# Altium PCB PROC114E3_BRD.PcbDoc (part 17 of 18)
Units mm, origin at the board's own origin, x right, y up, seen from the top; angles counter-clockwise.
Board outline 85 x 155.18 mm, 10 copper layers (TOP, L02_GND1, L03_SIG1, L04_GND2, L05_PWR1, L06_PWR2, L07_GND3, L08_SIG2, L09_GND4, BOTTOM), stack 1.134 mm thick; 1389 components, 1010 nets, 5137 pads, 3263 vias.
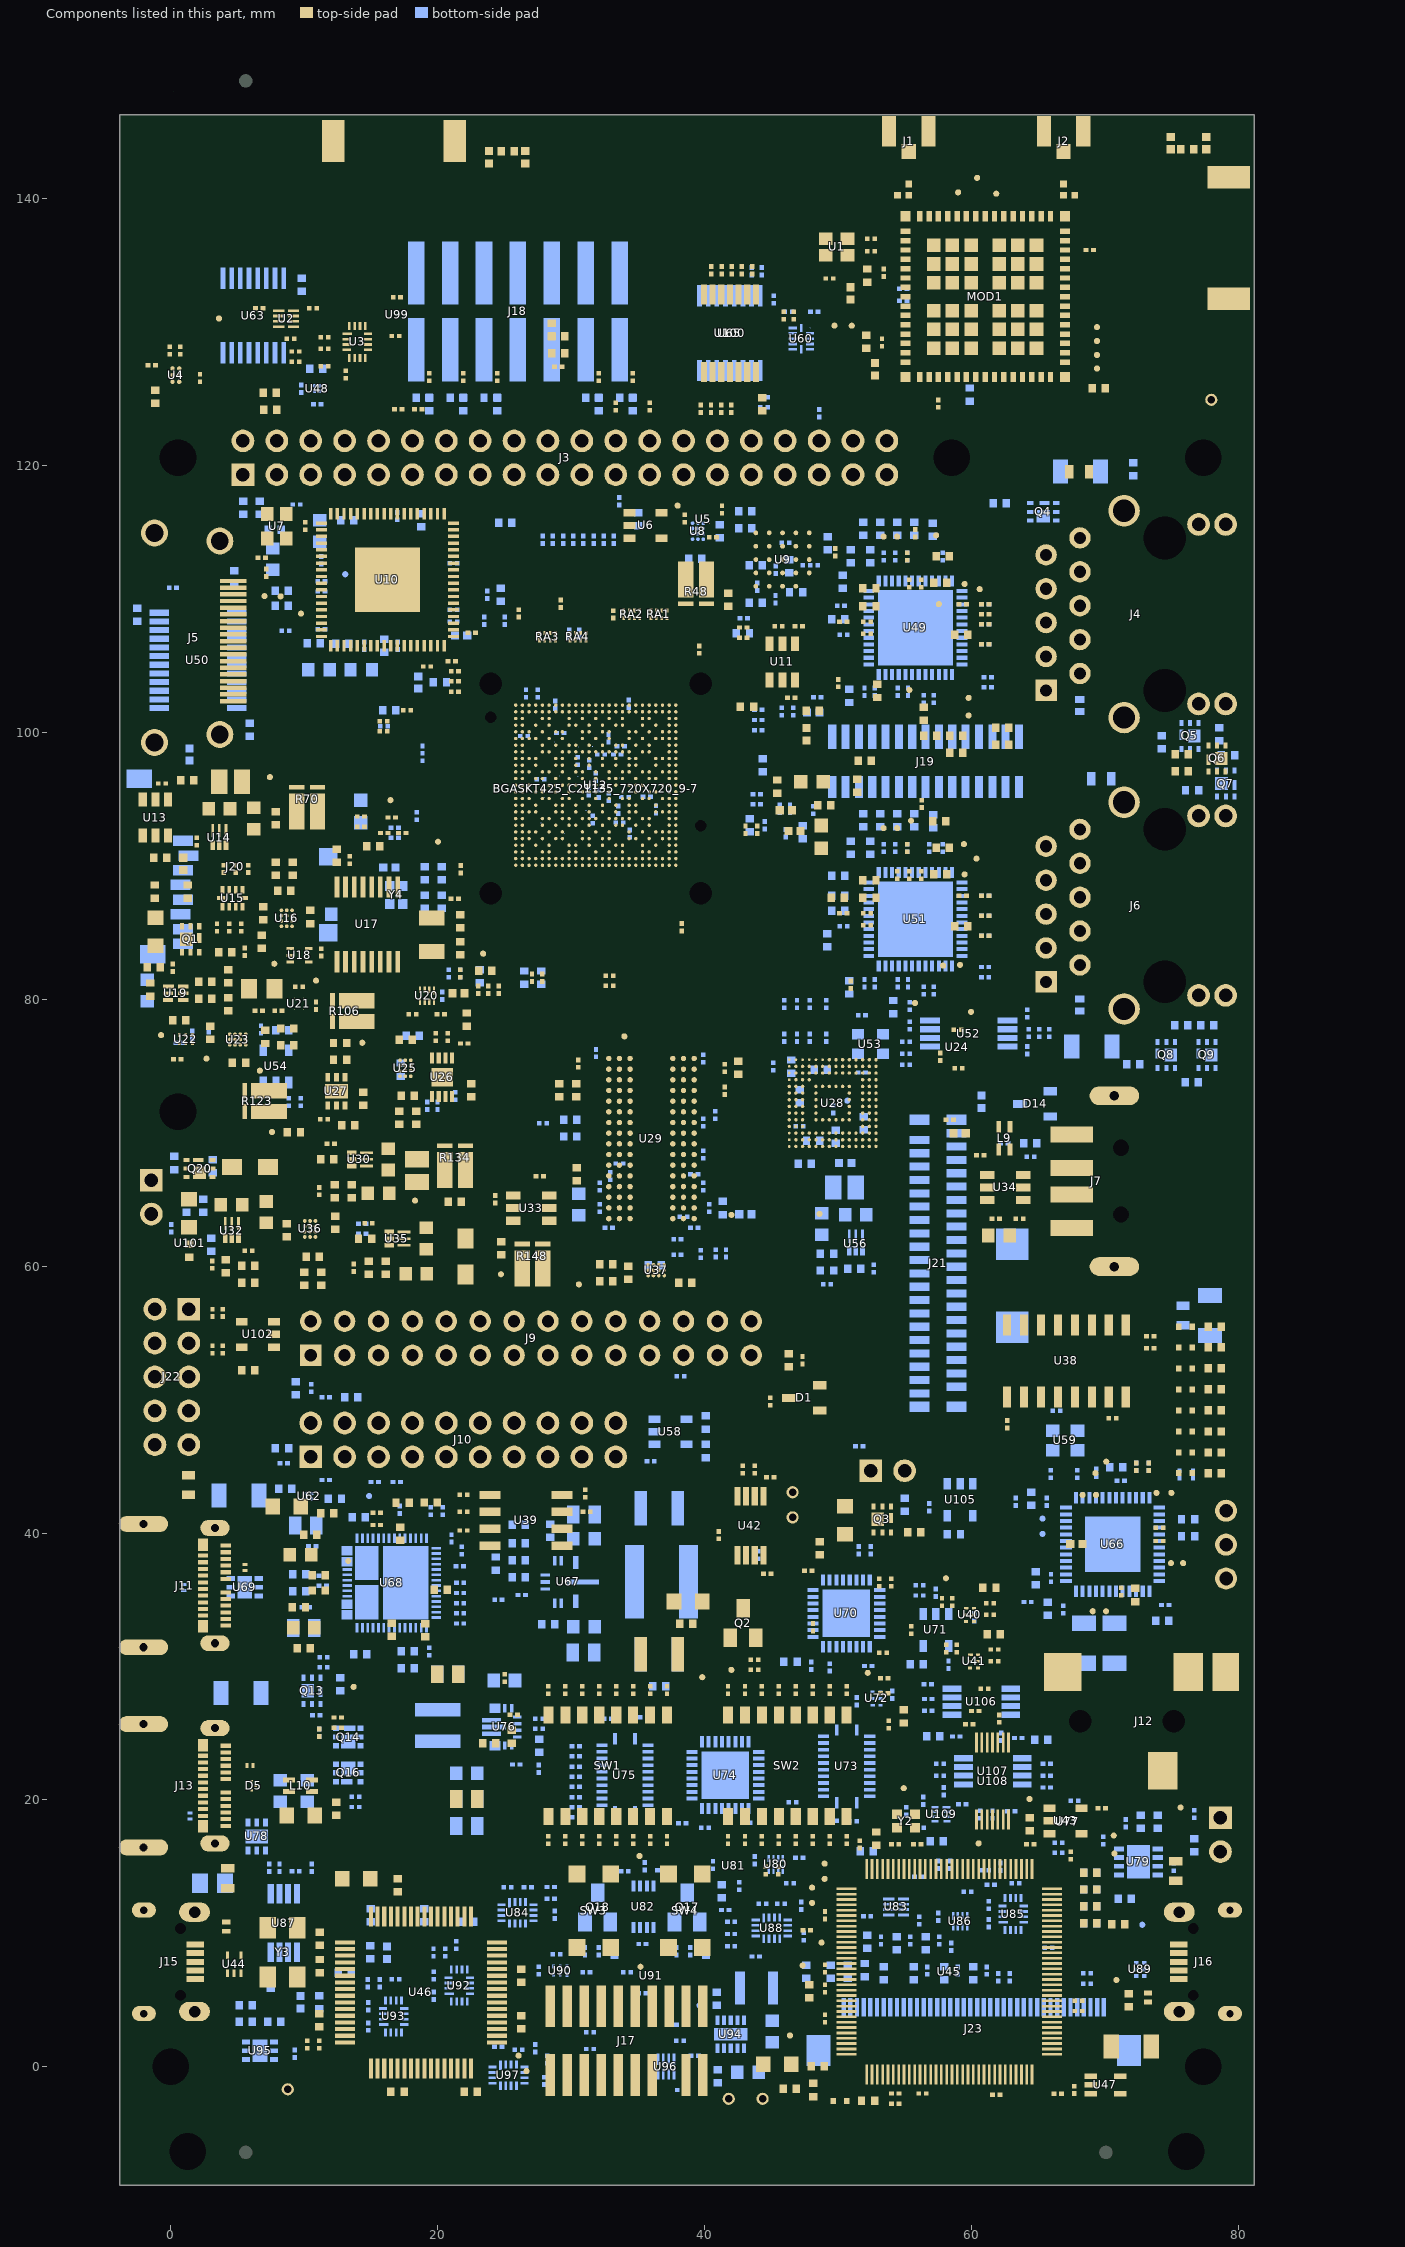
[diagram p25: the components of this part, seen from the top]

## Keep-outs (continued)
L06_PWR2:
  region: 54.849,101.434 54.82,101.582 54.736,101.708 54.61,101.793 54.461,101.822 54.312,101.793 54.27,101.764 54.186,101.708 54.102,101.582 54.072,101.434 54.102,101.285 54.186,101.159 54.27,101.103 54.312,101.075 54.461,101.045 54.61,101.075 54.736,101.159 54.82,101.285 54.849,101.434
  region: 42.36,97.047 42.331,97.196 42.246,97.322 42.12,97.406 41.972,97.436 41.823,97.406 41.781,97.378 41.697,97.322 41.613,97.196 41.583,97.047 41.613,96.898 41.697,96.772 41.781,96.716 41.823,96.688 41.972,96.659 42.12,96.688 42.246,96.772 42.331,96.898 42.36,97.047
  region: 54.087,101.434 54.058,101.582 53.974,101.708 53.848,101.793 53.699,101.822 53.55,101.793 53.508,101.764 53.424,101.708 53.34,101.582 53.31,101.434 53.34,101.285 53.424,101.159 53.508,101.103 53.55,101.075 53.699,101.045 53.848,101.075 53.974,101.159 54.058,101.285 54.087,101.434
  region: 40.733,97.09 40.704,97.239 40.62,97.365 40.494,97.449 40.345,97.479 40.196,97.449 40.154,97.421 40.07,97.365 39.986,97.239 39.956,97.09 39.986,96.942 40.07,96.816 40.154,96.76 40.196,96.732 40.345,96.702 40.494,96.732 40.62,96.816 40.704,96.942 40.733,97.09
  region: 51.087,101.434 51.058,101.582 50.974,101.708 50.848,101.793 50.699,101.822 50.55,101.793 50.508,101.764 50.424,101.708 50.34,101.582 50.31,101.434 50.34,101.285 50.424,101.159 50.508,101.103 50.55,101.075 50.699,101.045 50.848,101.075 50.974,101.159 51.058,101.285 51.087,101.434
  region: 57.849,97.917 57.82,98.065 57.735,98.191 57.609,98.276 57.461,98.305 57.312,98.276 57.27,98.247 57.186,98.191 57.102,98.065 57.072,97.917 57.102,97.768 57.186,97.642 57.27,97.586 57.312,97.558 57.461,97.528 57.609,97.558 57.735,97.642 57.82,97.768 57.849,97.917
  region: 51.849,101.434 51.82,101.582 51.736,101.708 51.61,101.793 51.461,101.822 51.312,101.793 51.27,101.764 51.186,101.708 51.102,101.582 51.072,101.434 51.102,101.285 51.186,101.159 51.27,101.103 51.312,101.075 51.461,101.045 51.61,101.075 51.736,101.159 51.82,101.285 51.849,101.434
  region: 36.778,96.088 36.749,96.237 36.665,96.363 36.538,96.447 36.39,96.477 36.241,96.447 36.199,96.419 36.115,96.363 36.031,96.237 36.001,96.088 36.031,95.94 36.115,95.814 36.199,95.758 36.241,95.729 36.39,95.7 36.538,95.729 36.665,95.814 36.749,95.94 36.778,96.088
  region: 57.087,97.917 57.058,98.065 56.973,98.191 56.847,98.276 56.699,98.305 56.55,98.276 56.508,98.247 56.424,98.191 56.34,98.065 56.31,97.917 56.34,97.768 56.424,97.642 56.508,97.586 56.55,97.558 56.699,97.528 56.847,97.558 56.973,97.642 57.058,97.768 57.087,97.917
  region: 43.122,97.047 43.093,97.196 43.008,97.322 42.882,97.406 42.734,97.436 42.585,97.406 42.543,97.378 42.459,97.322 42.375,97.196 42.345,97.047 42.375,96.898 42.459,96.772 42.543,96.716 42.585,96.688 42.734,96.659 42.882,96.688 43.008,96.772 43.093,96.898 43.122,97.047
  region: 39.971,97.09 39.942,97.239 39.858,97.365 39.732,97.449 39.583,97.479 39.434,97.449 39.392,97.421 39.308,97.365 39.224,97.239 39.194,97.09 39.224,96.942 39.308,96.816 39.392,96.76 39.434,96.732 39.583,96.702 39.732,96.732 39.858,96.816 39.942,96.942 39.971,97.09
  region: 37.265,97.502 37.235,97.651 37.151,97.777 37.025,97.861 36.876,97.89 36.728,97.861 36.686,97.833 36.602,97.777 36.518,97.651 36.488,97.502 36.518,97.353 36.602,97.227 36.686,97.171 36.728,97.143 36.876,97.113 37.025,97.143 37.151,97.227 37.235,97.353 37.265,97.502
L07_GND3:
  region: 43.122,97.047 43.093,97.196 43.008,97.322 42.882,97.406 42.734,97.436 42.585,97.406 42.543,97.378 42.459,97.322 42.375,97.196 42.345,97.047 42.375,96.898 42.459,96.772 42.543,96.716 42.585,96.688 42.734,96.659 42.882,96.688 43.008,96.772 43.093,96.898 43.122,97.047
  region: 51.849,101.434 51.82,101.582 51.736,101.708 51.61,101.793 51.461,101.822 51.312,101.793 51.27,101.764 51.186,101.708 51.102,101.582 51.072,101.434 51.102,101.285 51.186,101.159 51.27,101.103 51.312,101.075 51.461,101.045 51.61,101.075 51.736,101.159 51.82,101.285 51.849,101.434
  region: 39.971,97.09 39.942,97.239 39.858,97.365 39.732,97.449 39.583,97.479 39.434,97.449 39.392,97.421 39.308,97.365 39.224,97.239 39.194,97.09 39.224,96.942 39.308,96.816 39.392,96.76 39.434,96.732 39.583,96.702 39.732,96.732 39.858,96.816 39.942,96.942 39.971,97.09
  region: 57.087,97.917 57.058,98.065 56.973,98.191 56.847,98.276 56.699,98.305 56.55,98.276 56.508,98.247 56.424,98.191 56.34,98.065 56.31,97.917 56.34,97.768 56.424,97.642 56.508,97.586 56.55,97.558 56.699,97.528 56.847,97.558 56.973,97.642 57.058,97.768 57.087,97.917
  region: 51.087,101.434 51.058,101.582 50.974,101.708 50.848,101.793 50.699,101.822 50.55,101.793 50.508,101.764 50.424,101.708 50.34,101.582 50.31,101.434 50.34,101.285 50.424,101.159 50.508,101.103 50.55,101.075 50.699,101.045 50.848,101.075 50.974,101.159 51.058,101.285 51.087,101.434
  region: 36.778,96.088 36.749,96.237 36.665,96.363 36.538,96.447 36.39,96.477 36.241,96.447 36.199,96.419 36.115,96.363 36.031,96.237 36.001,96.088 36.031,95.94 36.115,95.814 36.199,95.758 36.241,95.729 36.39,95.7 36.538,95.729 36.665,95.814 36.749,95.94 36.778,96.088
  region: 54.087,101.434 54.058,101.582 53.974,101.708 53.848,101.793 53.699,101.822 53.55,101.793 53.508,101.764 53.424,101.708 53.34,101.582 53.31,101.434 53.34,101.285 53.424,101.159 53.508,101.103 53.55,101.075 53.699,101.045 53.848,101.075 53.974,101.159 54.058,101.285 54.087,101.434
  region: 57.849,97.917 57.82,98.065 57.735,98.191 57.609,98.276 57.461,98.305 57.312,98.276 57.27,98.247 57.186,98.191 57.102,98.065 57.072,97.917 57.102,97.768 57.186,97.642 57.27,97.586 57.312,97.558 57.461,97.528 57.609,97.558 57.735,97.642 57.82,97.768 57.849,97.917
  region: 40.733,97.09 40.704,97.239 40.62,97.365 40.494,97.449 40.345,97.479 40.196,97.449 40.154,97.421 40.07,97.365 39.986,97.239 39.956,97.09 39.986,96.942 40.07,96.816 40.154,96.76 40.196,96.732 40.345,96.702 40.494,96.732 40.62,96.816 40.704,96.942 40.733,97.09
  region: 54.849,101.434 54.82,101.582 54.736,101.708 54.61,101.793 54.461,101.822 54.312,101.793 54.27,101.764 54.186,101.708 54.102,101.582 54.072,101.434 54.102,101.285 54.186,101.159 54.27,101.103 54.312,101.075 54.461,101.045 54.61,101.075 54.736,101.159 54.82,101.285 54.849,101.434
  region: 42.36,97.047 42.331,97.196 42.246,97.322 42.12,97.406 41.972,97.436 41.823,97.406 41.781,97.378 41.697,97.322 41.613,97.196 41.583,97.047 41.613,96.898 41.697,96.772 41.781,96.716 41.823,96.688 41.972,96.659 42.12,96.688 42.246,96.772 42.331,96.898 42.36,97.047
  region: 37.265,97.502 37.235,97.651 37.151,97.777 37.025,97.861 36.876,97.89 36.728,97.861 36.686,97.833 36.602,97.777 36.518,97.651 36.488,97.502 36.518,97.353 36.602,97.227 36.686,97.171 36.728,97.143 36.876,97.113 37.025,97.143 37.151,97.227 37.235,97.353 37.265,97.502
L09_GND4:
  region: 51.849,101.434 51.82,101.582 51.736,101.708 51.61,101.793 51.461,101.822 51.312,101.793 51.27,101.764 51.186,101.708 51.102,101.582 51.072,101.434 51.102,101.285 51.186,101.159 51.27,101.103 51.312,101.075 51.461,101.045 51.61,101.075 51.736,101.159 51.82,101.285 51.849,101.434
  region: 54.087,101.434 54.058,101.582 53.974,101.708 53.848,101.793 53.699,101.822 53.55,101.793 53.508,101.764 53.424,101.708 53.34,101.582 53.31,101.434 53.34,101.285 53.424,101.159 53.508,101.103 53.55,101.075 53.699,101.045 53.848,101.075 53.974,101.159 54.058,101.285 54.087,101.434
  region: 51.087,101.434 51.058,101.582 50.974,101.708 50.848,101.793 50.699,101.822 50.55,101.793 50.508,101.764 50.424,101.708 50.34,101.582 50.31,101.434 50.34,101.285 50.424,101.159 50.508,101.103 50.55,101.075 50.699,101.045 50.848,101.075 50.974,101.159 51.058,101.285 51.087,101.434
  region: 36.778,96.088 36.749,96.237 36.665,96.363 36.538,96.447 36.39,96.477 36.241,96.447 36.199,96.419 36.115,96.363 36.031,96.237 36.001,96.088 36.031,95.94 36.115,95.814 36.199,95.758 36.241,95.729 36.39,95.7 36.538,95.729 36.665,95.814 36.749,95.94 36.778,96.088
  region: 54.849,101.434 54.82,101.582 54.736,101.708 54.61,101.793 54.461,101.822 54.312,101.793 54.27,101.764 54.186,101.708 54.102,101.582 54.072,101.434 54.102,101.285 54.186,101.159 54.27,101.103 54.312,101.075 54.461,101.045 54.61,101.075 54.736,101.159 54.82,101.285 54.849,101.434
  region: 39.971,97.09 39.942,97.239 39.858,97.365 39.732,97.449 39.583,97.479 39.434,97.449 39.392,97.421 39.308,97.365 39.224,97.239 39.194,97.09 39.224,96.942 39.308,96.816 39.392,96.76 39.434,96.732 39.583,96.702 39.732,96.732 39.858,96.816 39.942,96.942 39.971,97.09
  region: 43.122,97.047 43.093,97.196 43.008,97.322 42.882,97.406 42.734,97.436 42.585,97.406 42.543,97.378 42.459,97.322 42.375,97.196 42.345,97.047 42.375,96.898 42.459,96.772 42.543,96.716 42.585,96.688 42.734,96.659 42.882,96.688 43.008,96.772 43.093,96.898 43.122,97.047
  region: 57.849,97.917 57.82,98.065 57.735,98.191 57.609,98.276 57.461,98.305 57.312,98.276 57.27,98.247 57.186,98.191 57.102,98.065 57.072,97.917 57.102,97.768 57.186,97.642 57.27,97.586 57.312,97.558 57.461,97.528 57.609,97.558 57.735,97.642 57.82,97.768 57.849,97.917
  region: 42.36,97.047 42.331,97.196 42.246,97.322 42.12,97.406 41.972,97.436 41.823,97.406 41.781,97.378 41.697,97.322 41.613,97.196 41.583,97.047 41.613,96.898 41.697,96.772 41.781,96.716 41.823,96.688 41.972,96.659 42.12,96.688 42.246,96.772 42.331,96.898 42.36,97.047
  region: 40.733,97.09 40.704,97.239 40.62,97.365 40.494,97.449 40.345,97.479 40.196,97.449 40.154,97.421 40.07,97.365 39.986,97.239 39.956,97.09 39.986,96.942 40.07,96.816 40.154,96.76 40.196,96.732 40.345,96.702 40.494,96.732 40.62,96.816 40.704,96.942 40.733,97.09
  region: 37.265,97.502 37.235,97.651 37.151,97.777 37.025,97.861 36.876,97.89 36.728,97.861 36.686,97.833 36.602,97.777 36.518,97.651 36.488,97.502 36.518,97.353 36.602,97.227 36.686,97.171 36.728,97.143 36.876,97.113 37.025,97.143 37.151,97.227 37.235,97.353 37.265,97.502
  region: 57.087,97.917 57.058,98.065 56.973,98.191 56.847,98.276 56.699,98.305 56.55,98.276 56.508,98.247 56.424,98.191 56.34,98.065 56.31,97.917 56.34,97.768 56.424,97.642 56.508,97.586 56.55,97.558 56.699,97.528 56.847,97.558 56.973,97.642 57.058,97.768 57.087,97.917
BOTTOM:
  region: 51.849,101.434 51.82,101.582 51.736,101.708 51.61,101.793 51.461,101.822 51.312,101.793 51.27,101.764 51.186,101.708 51.102,101.582 51.072,101.434 51.102,101.285 51.186,101.159 51.27,101.103 51.312,101.075 51.461,101.045 51.61,101.075 51.736,101.159 51.82,101.285 51.849,101.434
  region: 57.849,97.917 57.82,98.065 57.735,98.191 57.609,98.276 57.461,98.305 57.312,98.276 57.27,98.247 57.186,98.191 57.102,98.065 57.072,97.917 57.102,97.768 57.186,97.642 57.27,97.586 57.312,97.558 57.461,97.528 57.609,97.558 57.735,97.642 57.82,97.768 57.849,97.917
  region: 54.849,101.434 54.82,101.582 54.736,101.708 54.61,101.793 54.461,101.822 54.312,101.793 54.27,101.764 54.186,101.708 54.102,101.582 54.072,101.434 54.102,101.285 54.186,101.159 54.27,101.103 54.312,101.075 54.461,101.045 54.61,101.075 54.736,101.159 54.82,101.285 54.849,101.434
  region: 36.778,96.088 36.749,96.237 36.665,96.363 36.538,96.447 36.39,96.477 36.241,96.447 36.199,96.419 36.115,96.363 36.031,96.237 36.001,96.088 36.031,95.94 36.115,95.814 36.199,95.758 36.241,95.729 36.39,95.7 36.538,95.729 36.665,95.814 36.749,95.94 36.778,96.088
  region: 42.36,97.047 42.331,97.196 42.246,97.322 42.12,97.406 41.972,97.436 41.823,97.406 41.781,97.378 41.697,97.322 41.613,97.196 41.583,97.047 41.613,96.898 41.697,96.772 41.781,96.716 41.823,96.688 41.972,96.659 42.12,96.688 42.246,96.772 42.331,96.898 42.36,97.047
  region: 54.087,101.434 54.058,101.582 53.974,101.708 53.848,101.793 53.699,101.822 53.55,101.793 53.508,101.764 53.424,101.708 53.34,101.582 53.31,101.434 53.34,101.285 53.424,101.159 53.508,101.103 53.55,101.075 53.699,101.045 53.848,101.075 53.974,101.159 54.058,101.285 54.087,101.434
  region: 51.087,101.434 51.058,101.582 50.974,101.708 50.848,101.793 50.699,101.822 50.55,101.793 50.508,101.764 50.424,101.708 50.34,101.582 50.31,101.434 50.34,101.285 50.424,101.159 50.508,101.103 50.55,101.075 50.699,101.045 50.848,101.075 50.974,101.159 51.058,101.285 51.087,101.434
  region: 40.733,97.09 40.704,97.239 40.62,97.365 40.494,97.449 40.345,97.479 40.196,97.449 40.154,97.421 40.07,97.365 39.986,97.239 39.956,97.09 39.986,96.942 40.07,96.816 40.154,96.76 40.196,96.732 40.345,96.702 40.494,96.732 40.62,96.816 40.704,96.942 40.733,97.09
  region: 39.971,97.09 39.942,97.239 39.858,97.365 39.732,97.449 39.583,97.479 39.434,97.449 39.392,97.421 39.308,97.365 39.224,97.239 39.194,97.09 39.224,96.942 39.308,96.816 39.392,96.76 39.434,96.732 39.583,96.702 39.732,96.732 39.858,96.816 39.942,96.942 39.971,97.09
  region: 57.087,97.917 57.058,98.065 56.973,98.191 56.847,98.276 56.699,98.305 56.55,98.276 56.508,98.247 56.424,98.191 56.34,98.065 56.31,97.917 56.34,97.768 56.424,97.642 56.508,97.586 56.55,97.558 56.699,97.528 56.847,97.558 56.973,97.642 57.058,97.768 57.087,97.917
  region: 37.265,97.502 37.235,97.651 37.151,97.777 37.025,97.861 36.876,97.89 36.728,97.861 36.686,97.833 36.602,97.777 36.518,97.651 36.488,97.502 36.518,97.353 36.602,97.227 36.686,97.171 36.728,97.143 36.876,97.113 37.025,97.143 37.151,97.227 37.235,97.353 37.265,97.502
  region: 43.122,97.047 43.093,97.196 43.008,97.322 42.882,97.406 42.734,97.436 42.585,97.406 42.543,97.378 42.459,97.322 42.375,97.196 42.345,97.047 42.375,96.898 42.459,96.772 42.543,96.716 42.585,96.688 42.734,96.659 42.882,96.688 43.008,96.772 43.093,96.898 43.122,97.047
Multi-Layer:
  region: 25.025,87.935 24.99,88.2 24.888,88.447 24.725,88.66 24.513,88.823 24.266,88.925 24,88.96 23.735,88.925 23.488,88.823 23.276,88.66 23.113,88.447 23.011,88.2 22.976,87.935 23.011,87.67 23.113,87.423 23.276,87.21 23.488,87.048 23.735,86.945 24,86.91 24.266,86.945 24.513,87.048 24.725,87.21 24.888,87.423 24.99,87.67 25.025,87.935
  region: 24.743,101.12 24.718,101.312 24.644,101.492 24.526,101.646 24.372,101.764 24.193,101.838 24,101.863 23.808,101.838 23.629,101.764 23.475,101.646 23.357,101.492 23.283,101.312 23.258,101.12 23.283,100.928 23.357,100.749 23.475,100.595 23.629,100.477 23.808,100.403 24,100.377 24.193,100.403 24.372,100.477 24.526,100.595 24.644,100.749 24.718,100.928 24.743,101.12
  region: 40.75,87.935 40.715,88.2 40.613,88.447 40.45,88.66 40.238,88.823 39.991,88.925 39.726,88.96 39.46,88.925 39.213,88.823 39.001,88.66 38.838,88.447 38.736,88.2 38.701,87.935 38.736,87.67 38.838,87.423 39.001,87.21 39.213,87.048 39.46,86.945 39.726,86.91 39.991,86.945 40.238,87.048 40.45,87.21 40.613,87.423 40.715,87.67 40.75,87.935
  region: 22.691,146.092 10.546,146.092 10.546,142.742 10.546,140.092 22.691,140.092
  region: 40.469,93.015 40.443,93.207 40.369,93.387 40.251,93.54 40.097,93.658 39.918,93.733 39.726,93.758 39.533,93.733 39.354,93.658 39.2,93.54 39.082,93.387 39.008,93.207 38.983,93.015 39.008,92.823 39.082,92.644 39.2,92.49 39.354,92.372 39.533,92.297 39.726,92.272 39.918,92.297 40.097,92.372 40.251,92.49 40.369,92.644 40.443,92.823 40.469,93.015
  region: 80.139,120.584 80.105,121.015 80.004,121.436 79.838,121.836 79.612,122.205 79.331,122.535 79.002,122.816 78.632,123.042 78.233,123.208 77.812,123.309 77.38,123.343 76.949,123.309 76.528,123.208 76.128,123.042 76.005,122.966 75.759,122.816 75.429,122.535 75.148,122.205 74.922,121.836 74.757,121.436 74.655,121.015 74.622,120.584 74.655,120.152 74.757,119.732 74.922,119.332 75.148,118.963 75.429,118.633 75.759,118.352 76.005,118.202 76.128,118.126 76.528,117.96 76.949,117.859 77.38,117.825 77.812,117.859 78.233,117.96 78.632,118.126 79.002,118.352 79.331,118.633 79.612,118.963 79.838,119.332 80.004,119.732 80.105,120.152 80.139,120.584
  region: 61.306,120.584 61.272,121.015 61.171,121.436 61.005,121.836 60.779,122.205 60.498,122.535 60.169,122.816 59.8,123.042 59.4,123.208 58.979,123.309 58.547,123.343 58.116,123.309 57.695,123.208 57.295,123.042 57.172,122.966 56.926,122.816 56.597,122.535 56.316,122.205 56.089,121.836 55.924,121.436 55.823,121.015 55.789,120.584 55.823,120.152 55.924,119.732 56.089,119.332 56.316,118.963 56.597,118.633 56.926,118.352 57.172,118.202 57.295,118.126 57.695,117.96 58.116,117.859 58.547,117.825 58.979,117.859 59.4,117.96 59.8,118.126 60.169,118.352 60.498,118.633 60.779,118.963 61.005,119.332 61.171,119.732 61.272,120.152 61.306,120.584
  region: 2.759,0 2.725,0.432 2.624,0.852 2.458,1.252 2.232,1.621 1.951,1.951 1.621,2.232 1.252,2.458 0.852,2.624 0.432,2.725 0,2.759 -0.432,2.725 -0.852,2.624 -1.252,2.458 -1.375,2.382 -1.621,2.232 -1.951,1.951 -2.232,1.621 -2.458,1.252 -2.624,0.852 -2.725,0.432 -2.759,0 -2.725,-0.432 -2.624,-0.852 -2.458,-1.252 -2.232,-1.621 -1.951,-1.951 -1.621,-2.232 -1.376,-2.382 -1.252,-2.458 -0.852,-2.624 -0.432,-2.725 0,-2.759 0.432,-2.725 0.852,-2.624 1.252,-2.458 1.621,-2.232 1.951,-1.951 2.232,-1.621 2.458,-1.252 2.624,-0.852 2.725,-0.432 2.759,0
  region: 40.75,103.66 40.715,103.925 40.613,104.173 40.45,104.385 40.238,104.548 39.991,104.65 39.726,104.685 39.46,104.65 39.213,104.548 39.001,104.385 38.838,104.173 38.736,103.925 38.701,103.66 38.736,103.395 38.838,103.148 39.001,102.936 39.213,102.773 39.46,102.67 39.726,102.635 39.991,102.67 40.238,102.773 40.45,102.936 40.613,103.148 40.715,103.395 40.75,103.66
  region: 25.025,103.66 24.99,103.925 24.888,104.173 24.725,104.385 24.513,104.548 24.266,104.65 24,104.685 23.735,104.65 23.488,104.548 23.276,104.385 23.113,104.173 23.011,103.925 22.976,103.66 23.011,103.395 23.113,103.148 23.276,102.936 23.488,102.773 23.735,102.67 24,102.635 24.266,102.67 24.513,102.773 24.725,102.936 24.888,103.148 24.99,103.395 25.025,103.66
  region: 3.306,120.584 3.272,121.015 3.171,121.436 3.005,121.836 2.779,122.205 2.498,122.535 2.169,122.816 1.799,123.042 1.4,123.208 0.979,123.309 0.547,123.343 0.116,123.309 -0.305,123.208 -0.705,123.042 -0.828,122.966 -1.074,122.816 -1.403,122.535 -1.685,122.205 -1.911,121.836 -2.076,121.436 -2.177,121.015 -2.211,120.584 -2.177,120.152 -2.076,119.732 -1.911,119.332 -1.685,118.963 -1.403,118.633 -1.074,118.352 -0.828,118.202 -0.705,118.126 -0.305,117.96 0.116,117.859 0.547,117.825 0.979,117.859 1.4,117.96 1.799,118.126 2.169,118.352 2.498,118.633 2.779,118.963 3.005,119.332 3.171,119.732 3.272,120.152 3.306,120.584

## Other copper
L02_GND1:
  region net DGND: 72.834,143.777 ccw(c74.806,139.993) 71.789,143.01 70.609,141.831 cw(c68.159,144.281) 68.743,140.866 68.49,140.832 68.348,140.817 67.715,140.814 67.656,140.806 67.591,140.79 cw(c67.547,140.882) 67.451,140.915 ccw(c66.915,141.099) 67.482,141.096 ccw(c66.915,141.097) 67.482,141.098 67.482,142.77 67.66,142.77 67.66,144.168 67.787,144.168 67.787,145.759 80.268,145.778 80.682,145.364 80.682,143.259 79.177,143.259 ccw(c77.6,142.509) 78.836,143.742 ccw(c77.608,142.564) 78.123,144.186 ccw(c77.583,142.414) 77.483,144.264 76.642,144.264 ccw(c76.642,143.707) 76.384,144.201 75.981,144.201 ccw(c75.724,143.707) 75.724,144.264 74.824,144.264 ccw(c74.824,139.953)
  pour cut-out: 28.312,92.342 cw(c28.282,92.439) 28.183,92.459 ccw(c27.878,92.517) 27.801,92.818 cw(c27.775,92.916) 27.677,92.943 ccw(c27.378,93.027) 27.609,93.235 cw(c27.684,93.303) 27.611,93.373 ccw(c27.386,93.587) 27.696,93.592 cw(c27.798,93.593) 27.809,93.694 ccw(c27.845,94.002) 28.055,93.774 cw(c28.124,93.7) 28.193,93.774 ccw(c28.403,94.002) 28.473,93.7 cw(c28.495,93.601) 28.596,93.587 ccw(c28.903,93.545) 28.6,93.482 cw(c28.5,93.461) 28.466,93.366 ccw(c28.36,93.074) 28.664,93.137 cw(c28.764,93.157) 28.798,93.253 ccw(c28.903,93.545) 28.979,93.244 cw(c29.004,93.146) 29.102,93.121 ccw(c29.403,93.045) 29.102,92.969 cw(c29.004,92.944) 28.979,92.846 ccw(c28.902,92.545) 28.601,92.469 cw(c28.502,92.445) 28.477,92.346 ccw(c28.401,92.045)
  region net DGND: 22.691,144.124 22.691,145.691 54.453,145.739 54.453,144.168 54.58,144.168 54.58,142.77 54.758,142.77 54.758,141.369 54.754,141.359 ccw(c55.27,141.144) 54.753,140.931 cw(c54.659,140.892) 54.631,140.794 ccw(c54.475,140.249) 54.477,140.816 34.357,140.816 cw(c34.358,144.366) 31.881,141.823 31.847,141.856 30.724,142.979 ccw(c27.977,140.232) 27.978,144.117 26.665,144.117 26.662,144.118 ccw(c26.581,143.613) 26.578,144.124 25.733,144.124 ccw(c25.734,143.561) 25.474,144.061 25.071,144.061 ccw(c24.811,143.561) 24.813,144.124
  region net DGND: 344 vertices and 1684 holes, not listed, extent -3.175,-3.089 80.682,145.757
L05_PWR1:
  region net VCC_3V3_SYS: 983 vertices and 1696 holes, not listed, extent -3.302,-3.302 80.682,145.779


## Text inside footprints (layer, text, board x,y; h text height)
J10: PIN_NUMBER "2" at 10.395,48.12 h0.25; PIN_NUMBER "17" at 30.614,45.58 h0.25; PIN_NUMBER "1" at 10.395,45.58 h0.25; PIN_NUMBER "18" at 30.614,48.12 h0.25; PIN_NUMBER "14" at 25.534,48.12 h0.25; PIN_NUMBER "16" at 28.074,48.12 h0.25; PIN_NUMBER "19" at 33.154,45.58 h0.25; PIN_NUMBER "15" at 28.074,45.58 h0.25; PIN_NUMBER "13" at 25.534,45.58 h0.25; PIN_NUMBER "20" at 33.154,48.12 h0.25; PIN_NUMBER "6" at 15.475,48.12 h0.25; PIN_NUMBER "8" at 18.015,48.12 h0.25; PIN_NUMBER "4" at 12.935,48.12 h0.25; PIN_NUMBER "5" at 15.475,45.58 h0.25; PIN_NUMBER "3" at 12.935,45.58 h0.25; PIN_NUMBER "9" at 20.555,45.58 h0.25; PIN_NUMBER "7" at 18.015,45.58 h0.25; PIN_NUMBER "12" at 22.994,48.12 h0.25; PIN_NUMBER "11" at 22.994,45.58 h0.25; PIN_NUMBER "10" at 20.454,48.12 h0.25; Top Overlay "2" at 10.18,50.088 h0.64; Top Overlay "20" at 32.849,50.025 h0.64; Top Overlay "19" at 35.193,45.442 h0.64
J11: PIN_NUMBER "B12" at 2.159,38.979 h0.25; PIN_NUMBER "A12" at 3.825,32.931 h0.25; PIN_NUMBER "A1" at 3.927,38.931 h0.25; PIN_NUMBER "B1" at 2.252,32.881 h0.25; PIN_NUMBER "SH1" at 3.015,40.378 h0.25 r270; PIN_NUMBER "SH2" at 3.015,31.738 h0.25 r270; PIN_NUMBER "SH3" at -2.345,31.438 h0.25 r270; PIN_NUMBER "SH4" at -2.345,40.678 h0.25 r270; PIN_NUMBER "A5" at 3.927,36.931 h0.25; PIN_NUMBER "B5" at 2.227,35.181 h0.25; PIN_NUMBER "B4" at 2.227,34.681 h0.25; PIN_NUMBER "A9" at 3.927,34.431 h0.25; PIN_NUMBER "A4" at 3.927,37.431 h0.25; PIN_NUMBER "B9" at 2.227,37.181 h0.25; PIN_NUMBER "B3" at 2.227,34.181 h0.25; PIN_NUMBER "B2" at 2.227,33.681 h0.25; PIN_NUMBER "A3" at 3.927,37.931 h0.25; PIN_NUMBER "A2" at 3.927,38.431 h0.25; PIN_NUMBER "B8" at 2.227,36.681 h0.25; PIN_NUMBER "A8" at 3.927,34.931 h0.25; PIN_NUMBER "A10" at 3.825,33.931 h0.25; PIN_NUMBER "A11" at 3.825,33.431 h0.25; PIN_NUMBER "B10" at 2.125,37.681 h0.25; PIN_NUMBER "B11" at 2.125,38.181 h0.25; PIN_NUMBER "B7" at 2.227,36.181 h0.25; PIN_NUMBER "A7" at 3.927,35.431 h0.25; PIN_NUMBER "B6" at 2.227,35.681 h0.25; PIN_NUMBER "A6" at 3.927,36.431 h0.25; Top Overlay "B12" at 2.363,42.056 h0.51; Top Overlay "B1" at 2.783,29.737 h0.51; Top Overlay "A12" at 5.623,32.294 h0.51 r90
J12: PIN_NUMBER "3" at 74.357,22.077 h0.25 r90; PIN_NUMBER "4" at 76.418,29.587 h0.25 r90; PIN_NUMBER "2" at 66.891,29.587 h0.25 r90; PIN_NUMBER "1" at 79.219,29.587 h0.25 r90; Top Overlay "3" at 75.947,21.465 h0.64; Top Overlay "4" at 75.947,31.421 h0.64; Top Overlay "2" at 66.498,31.447 h0.64
J13: PIN_NUMBER "B12" at 2.159,23.979 h0.25; PIN_NUMBER "A1" at 3.927,23.931 h0.25; PIN_NUMBER "A12" at 3.825,17.931 h0.25; PIN_NUMBER "B1" at 2.252,17.881 h0.25; PIN_NUMBER "B7" at 2.227,21.181 h0.25; PIN_NUMBER "A7" at 3.927,20.431 h0.25; PIN_NUMBER "SH1" at 3.015,25.378 h0.25 r270; PIN_NUMBER "SH2" at 3.015,16.738 h0.25 r270; PIN_NUMBER "SH3" at -2.345,16.438 h0.25 r270; PIN_NUMBER "SH4" at -2.345,25.678 h0.25 r270; PIN_NUMBER "B5" at 2.227,20.181 h0.25; PIN_NUMBER "B6" at 2.227,20.681 h0.25; PIN_NUMBER "A6" at 3.927,21.431 h0.25; PIN_NUMBER "A5" at 3.927,21.931 h0.25; PIN_NUMBER "A4" at 3.927,22.431 h0.25; PIN_NUMBER "B9" at 2.227,22.181 h0.25; PIN_NUMBER "A9" at 3.927,19.431 h0.25; PIN_NUMBER "B4" at 2.227,19.681 h0.25; PIN_NUMBER "B3" at 2.227,19.181 h0.25; PIN_NUMBER "B2" at 2.227,18.681 h0.25; PIN_NUMBER "A3" at 3.927,22.931 h0.25; PIN_NUMBER "A2" at 3.927,23.431 h0.25; PIN_NUMBER "B8" at 2.227,21.681 h0.25; PIN_NUMBER "A8" at 3.927,19.931 h0.25; PIN_NUMBER "A10" at 3.825,18.931 h0.25; PIN_NUMBER "A11" at 3.825,18.431 h0.25; PIN_NUMBER "B10" at 2.125,22.681 h0.25; PIN_NUMBER "B11" at 2.125,23.181 h0.25; Top Overlay "B12" at 1.932,27.222 h0.51; Top Overlay "B1" at 2.605,14.166 h0.51; Top Overlay "A12" at 5.04,17.883 h0.51
J14: PIN_NUMBER "1" at 78.701,18.659 h0.25 r90; PIN_NUMBER "2" at 78.701,16.119 h0.25 r90; Top Overlay "2" at 76.252,15.8 h0.64
J15: PIN_NUMBER "5" at 1.612,6.564 h0.25 r270; PIN_NUMBER "1" at 1.612,9.164 h0.25 r270; PIN_NUMBER "2" at 1.612,8.514 h0.25 r270; PIN_NUMBER "6" at 1.562,11.589 h0.25 r270; PIN_NUMBER "7" at 1.562,4.139 h0.25 r270; PIN_NUMBER "8" at -2.238,11.739 h0.25 r270; PIN_NUMBER "9" at -2.238,3.989 h0.25 r270; PIN_NUMBER "3" at 1.612,7.864 h0.25 r270; PIN_NUMBER "4" at 1.612,7.214 h0.25 r270; Top Overlay "5" at 3.557,6.013 h0.51
J16: PIN_NUMBER "5" at 75.566,9.164 h0.25 r90; PIN_NUMBER "6" at 75.616,4.139 h0.25 r90; PIN_NUMBER "7" at 75.616,11.589 h0.25 r90; PIN_NUMBER "8" at 79.415,3.989 h0.25 r90; PIN_NUMBER "9" at 79.415,11.739 h0.25 r90; PIN_NUMBER "2" at 75.566,7.214 h0.25 r90; PIN_NUMBER "4" at 75.566,8.514 h0.25 r90; PIN_NUMBER "3" at 75.566,7.864 h0.25 r90; PIN_NUMBER "1" at 75.566,6.564 h0.25 r90; Top Overlay "5" at 73.483,9.417 h0.51
J17: PIN_NUMBER "12" at 33.339,-0.612 h0.25 r180; PIN_NUMBER "10" at 34.609,-0.612 h0.25 r180; PIN_NUMBER "16" at 30.799,-0.612 h0.25 r180; PIN_NUMBER "20" at 28.259,-0.612 h0.25 r180; PIN_NUMBER "5" at 37.25,4.544 h0.25 r180; PIN_NUMBER "7" at 35.98,4.544 h0.25 r180; PIN_NUMBER "13" at 32.069,4.544 h0.25 r180; PIN_NUMBER "2" at 39.79,-0.612 h0.25 r180; PIN_NUMBER "14" at 32.069,-0.612 h0.25 r180; PIN_NUMBER "3" at 38.52,4.544 h0.25 r180; PIN_NUMBER "11" at 33.339,4.544 h0.25 r180; PIN_NUMBER "15" at 30.799,4.544 h0.25 r180; PIN_NUMBER "9" at 34.71,4.544 h0.25 r180; PIN_NUMBER "4" at 38.52,-0.612 h0.25 r180; PIN_NUMBER "1" at 39.79,4.544 h0.25 r180; PIN_NUMBER "8" at 35.98,-0.612 h0.25 r180; PIN_NUMBER "19" at 28.259,4.544 h0.25 r180; PIN_NUMBER "18" at 29.529,-0.612 h0.25 r180; PIN_NUMBER "17" at 29.529,4.544 h0.25 r180; Top Overlay "2" at 39.778,-2.979 h0.51; Top Overlay "20" at 27.979,-3.055 h0.51; Top Overlay "19" at 28.03,6.419 h0.51
J18: PIN_NUMBER "1" at 18.302,134.558 h0.25 r180; PIN_NUMBER "3" at 20.842,134.558 h0.25 r180; PIN_NUMBER "5" at 23.382,134.558 h0.25 r180; PIN_NUMBER "11" at 30.9,134.558 h0.25 r180; PIN_NUMBER "13" at 33.44,134.558 h0.25 r180; PIN_NUMBER "7" at 25.922,134.558 h0.25 r180; PIN_NUMBER "8" at 25.922,128.808 h0.25 r180; PIN_NUMBER "10" at 28.36,128.808 h0.25 r180; PIN_NUMBER "6" at 23.382,128.808 h0.25 r180; PIN_NUMBER "9" at 28.462,134.558 h0.25 r180; PIN_NUMBER "2" at 18.302,128.808 h0.25 r180; PIN_NUMBER "4" at 20.842,128.808 h0.25 r180; PIN_NUMBER "12" at 30.9,128.808 h0.25 r180; PIN_NUMBER "14" at 33.44,128.808 h0.25 r180; Bottom Overlay "2" at 17.502,125.757 h0.51; Bottom Overlay "14" at 36.565,125.706 h0.51; Bottom Overlay "13" at 34.228,137.416 h0.51
J19: PIN_NUMBER "7A" at 55.292,99.633 h0.25 r270; PIN_NUMBER "4A" at 52.292,99.633 h0.25 r270; PIN_NUMBER "1A" at 49.292,99.633 h0.25 r270; PIN_NUMBER "10A" at 58.19,99.633 h0.25 r270; PIN_NUMBER "15A" at 63.19,99.633 h0.25 r270; PIN_NUMBER "3A" at 51.292,99.633 h0.25 r270; PIN_NUMBER "6A" at 54.292,99.633 h0.25 r270; PIN_NUMBER "9A" at 57.292,99.633 h0.25 r270; PIN_NUMBER "11A" at 59.19,99.633 h0.25 r270; PIN_NUMBER "8A" at 56.292,99.633 h0.25 r270; PIN_NUMBER "2A" at 50.292,99.633 h0.25 r270; PIN_NUMBER "12A" at 60.19,99.633 h0.25 r270; PIN_NUMBER "5A" at 53.292,99.633 h0.25 r270; PIN_NUMBER "9B" at 57.292,95.883 h0.25 r270; PIN_NUMBER "8B" at 56.292,95.883 h0.25 r270; PIN_NUMBER "7B" at 55.292,95.883 h0.25 r270; PIN_NUMBER "6B" at 54.292,95.883 h0.25 r270; PIN_NUMBER "5B" at 53.292,95.883 h0.25 r270; PIN_NUMBER "4B" at 52.292,95.883 h0.25 r270; PIN_NUMBER "3B" at 51.292,95.883 h0.25 r270; PIN_NUMBER "2B" at 50.292,95.883 h0.25 r270; PIN_NUMBER "1B" at 49.292,95.883 h0.25 r270; PIN_NUMBER "15B" at 63.19,95.883 h0.25 r270; PIN_NUMBER "14B" at 62.19,95.883 h0.25 r270; PIN_NUMBER "13B" at 61.19,95.883 h0.25 r270; PIN_NUMBER "12B" at 60.19,95.883 h0.25 r270; PIN_NUMBER "11B" at 59.19,95.883 h0.25 r270; PIN_NUMBER "10B" at 58.19,95.883 h0.25 r270; PIN_NUMBER "14A" at 62.19,99.633 h0.25 r270; PIN_NUMBER "13A" at 61.19,99.633 h0.25 r270; Bottom Overlay "15" at 63.971,101.132 h0.51
J20: PIN_NUMBER "SH3" at 11.369,90.677 h0.25 r270; PIN_NUMBER "SH1" at -2.781,96.527 h0.25 r270; PIN_NUMBER "SH4" at 11.369,84.977 h0.25 r270; PIN_NUMBER "6" at 0.512,86.367 h0.25 r270; PIN_NUMBER "SH2" at -1.781,83.377 h0.25 r270; PIN_NUMBER "7" at 0.712,85.267 h0.25 r270; PIN_NUMBER "8" at 0.712,84.167 h0.25 r270; PIN_NUMBER "2" at 1.112,90.767 h0.25 r270; PIN_NUMBER "5" at 0.712,87.467 h0.25 r270; PIN_NUMBER "1" at 0.712,91.867 h0.25 r270; PIN_NUMBER "3" at 0.712,89.667 h0.25 r270; PIN_NUMBER "9" at 11.797,86.367 h0.25 r270; PIN_NUMBER "4" at 0.512,88.567 h0.25 r270; Bottom Overlay "9" at 12.792,86.053 h0.51 r270; Bottom Overlay "8" at 1.297,81.536 h0.51; Bottom Overlay "CARD PUSH IN" at -3.083,85.291 h0.38 r270; ASSEMBLY_BOTTOM "CARD PUSH OUT" at -7.401,85.355 h0.38 r270; ASSEMBLY_BOTTOM "CARD PUSH LOCK" at -4.861,85.291 h0.38 r270; ASSEMBLY_BOTTOM "CARD PUSH IN" at -3.083,85.291 h0.38 r270
J21: PIN_NUMBER "13" at 58.709,63.959 h0.25 r90; PIN_NUMBER "16" at 55.909,62.459 h0.25 r90; PIN_NUMBER "19" at 58.709,60.959 h0.25 r90; PIN_NUMBER "22" at 55.909,59.459 h0.25 r90; PIN_NUMBER "25" at 58.709,57.959 h0.25 r90; PIN_NUMBER "28" at 55.909,56.459 h0.25 r90; PIN_NUMBER "31" at 58.709,54.959 h0.25 r90; PIN_NUMBER "34" at 55.909,53.459 h0.25 r90; PIN_NUMBER "37" at 58.709,51.959 h0.25 r90; PIN_NUMBER "40" at 55.909,50.459 h0.25 r90; PIN_NUMBER "7" at 58.81,66.959 h0.25 r90; PIN_NUMBER "10" at 55.909,65.459 h0.25 r90; PIN_NUMBER "6" at 56.01,67.459 h0.25 r90; PIN_NUMBER "2" at 56.01,69.459 h0.25 r90; PIN_NUMBER "3" at 58.81,68.959 h0.25 r90; PIN_NUMBER "12" at 55.909,64.459 h0.25 r90; PIN_NUMBER "15" at 58.709,62.959 h0.25 r90; PIN_NUMBER "21" at 58.709,59.959 h0.25 r90; PIN_NUMBER "24" at 55.909,58.459 h0.25 r90; PIN_NUMBER "11" at 58.709,64.959 h0.25 r90; PIN_NUMBER "14" at 55.909,63.459 h0.25 r90; PIN_NUMBER "20" at 55.909,60.459 h0.25 r90; PIN_NUMBER "23" at 58.709,58.959 h0.25 r90; PIN_NUMBER "27" at 58.709,56.959 h0.25 r90; PIN_NUMBER "26" at 55.909,57.459 h0.25 r90; PIN_NUMBER "30" at 55.909,55.459 h0.25 r90; PIN_NUMBER "29" at 58.709,55.959 h0.25 r90; PIN_NUMBER "36" at 55.909,52.459 h0.25 r90; PIN_NUMBER "35" at 58.709,52.959 h0.25 r90; PIN_NUMBER "39" at 58.709,50.959 h0.25 r90; PIN_NUMBER "38" at 55.909,51.459 h0.25 r90; PIN_NUMBER "18" at 55.909,61.459 h0.25 r90; PIN_NUMBER "17" at 58.709,61.959 h0.25 r90; PIN_NUMBER "33" at 58.709,53.959 h0.25 r90; PIN_NUMBER "32" at 55.909,54.459 h0.25 r90; PIN_NUMBER "1" at 58.81,69.959 h0.25 r90; PIN_NUMBER "9" at 58.81,65.959 h0.25 r90; PIN_NUMBER "SH2" at 55.807,70.959 h0.25 r90; PIN_NUMBER "SH1" at 58.607,70.959 h0.25 r90; PIN_NUMBER "SH4" at 55.807,49.459 h0.25 r90; PIN_NUMBER "SH3" at 58.607,49.459 h0.25 r90; PIN_NUMBER "8" at 56.01,66.459 h0.25 r90; PIN_NUMBER "4" at 56.01,68.459 h0.25 r90; PIN_NUMBER "5" at 58.81,67.959 h0.25 r90; Bottom Overlay "39" at 60.731,50.673 h0.51; Bottom Overlay "40" at 55.016,50.165 h0.51; Bottom Overlay "2" at 54.98,69.194 h0.51
J22: PIN_NUMBER "10" at -1.256,46.619 h0.25 r90; PIN_NUMBER "2" at -1.154,56.779 h0.25 r90; PIN_NUMBER "6" at -1.154,51.699 h0.25 r90; PIN_NUMBER "4" at -1.154,54.239 h0.25 r90; PIN_NUMBER "9" at 1.386,46.619 h0.25 r90; PIN_NUMBER "1" at 1.386,56.779 h0.25 r90; PIN_NUMBER "3" at 1.386,54.239 h0.25 r90; PIN_NUMBER "7" at 1.386,49.159 h0.25 r90; PIN_NUMBER "8" at -1.154,49.159 h0.25 r90; PIN_NUMBER "5" at 1.386,51.699 h0.25 r90; Bottom Overlay "2" at -2.869,56.644 h0.51; Bottom Overlay "10" at -3.601,46.01 h0.51 r270; Bottom Overlay "9" at 3.837,46.255 h0.51
J23: PIN_NUMBER "40" at 50.233,4.464 h0.25; PIN_NUMBER "41" at 71.609,1.21 h0.25; PIN_NUMBER "34" at 53.233,4.464 h0.25; PIN_NUMBER "25" at 57.733,4.464 h0.25; PIN_NUMBER "16" at 62.233,4.464 h0.25; PIN_NUMBER "7" at 66.835,4.464 h0.25; PIN_NUMBER "42" at 48.328,1.21 h0.25; PIN_NUMBER "1" at 69.835,4.464 h0.25; PIN_NUMBER "2" at 69.335,4.464 h0.25; PIN_NUMBER "3" at 68.835,4.464 h0.25; PIN_NUMBER "9" at 65.835,4.464 h0.25; PIN_NUMBER "8" at 66.335,4.464 h0.25; PIN_NUMBER "6" at 67.335,4.464 h0.25; PIN_NUMBER "5" at 67.835,4.464 h0.25; PIN_NUMBER "4" at 68.335,4.464 h0.25; PIN_NUMBER "35" at 52.733,4.464 h0.25; PIN_NUMBER "29" at 55.733,4.464 h0.25; PIN_NUMBER "24" at 58.233,4.464 h0.25; PIN_NUMBER "23" at 58.733,4.464 h0.25; PIN_NUMBER "22" at 59.233,4.464 h0.25; PIN_NUMBER "21" at 59.733,4.464 h0.25; PIN_NUMBER "20" at 60.233,4.464 h0.25; PIN_NUMBER "19" at 60.733,4.464 h0.25; PIN_NUMBER "18" at 61.233,4.464 h0.25; PIN_NUMBER "17" at 61.733,4.464 h0.25; PIN_NUMBER "15" at 62.733,4.464 h0.25; PIN_NUMBER "14" at 63.233,4.464 h0.25; PIN_NUMBER "13" at 63.733,4.464 h0.25; PIN_NUMBER "12" at 64.233,4.464 h0.25; PIN_NUMBER "11" at 64.733,4.464 h0.25; PIN_NUMBER "10" at 65.233,4.464 h0.25; PIN_NUMBER "30" at 55.233,4.464 h0.25; PIN_NUMBER "31" at 54.733,4.464 h0.25; PIN_NUMBER "27" at 56.733,4.464 h0.25; PIN_NUMBER "33" at 53.733,4.464 h0.25; PIN_NUMBER "28" at 56.233,4.464 h0.25; PIN_NUMBER "32" at 54.233,4.464 h0.25; PIN_NUMBER "26" at 57.233,4.464 h0.25; PIN_NUMBER "36" at 52.233,4.464 h0.25; PIN_NUMBER "37" at 51.733,4.464 h0.25; PIN_NUMBER "38" at 51.233,4.464 h0.25; PIN_NUMBER "39" at 50.733,4.464 h0.25; Bottom Overlay "40" at 47.106,4.413 h0.51
J24: PIN_NUMBER "1" at 52.366,44.794 h0.25 r180; PIN_NUMBER "2" at 54.906,44.794 h0.25 r180; Top Overlay "2" at 54.91,42.265 h0.64
L1: PIN_NUMBER "2" at 74.972,144.625 h0.25 r90; PIN_NUMBER "1" at 74.972,143.705 h0.25 r90
L2: PIN_NUMBER "2" at 77.64,144.625 h0.25 r90; PIN_NUMBER "1" at 77.64,143.705 h0.25 r90
L3: PIN_NUMBER "2" at 23.624,142.645 h0.25 r270; PIN_NUMBER "1" at 23.624,143.565 h0.25 r270
L4: PIN_NUMBER "2" at 26.349,142.645 h0.25 r270; PIN_NUMBER "1" at 26.349,143.565 h0.25 r270
L5: PIN_NUMBER "1" at 3.545,96.175 h0.25; PIN_NUMBER "2" at 5.244,96.175 h0.25
L7: PIN_NUMBER "2" at 18.226,66.306 h0.25 r270; PIN_NUMBER "1" at 18.226,68.006 h0.25 r270
L8: PIN_NUMBER "1" at 21.858,62.062 h0.25 r270; PIN_NUMBER "2" at 21.858,59.362 h0.25 r270
L9: PIN_NUMBER "2" at 61.83,68.752 h0.25 r270; PIN_NUMBER "3" at 62.68,68.752 h0.25 r270; PIN_NUMBER "1" at 61.83,70.452 h0.25 r270; PIN_NUMBER "4" at 62.68,70.452 h0.25 r270; Top Overlay "2" at 60.871,69.037 h0.51; Top Overlay "3" at 63.691,68.453 h0.51; Top Overlay "4" at 63.817,70.358 h0.51
L10: PIN_NUMBER "3" at 8.78,20.76 h0.25 r180; PIN_NUMBER "2" at 8.78,21.61 h0.25 r180; PIN_NUMBER "4" at 10.48,20.76 h0.25 r180; PIN_NUMBER "1" at 10.48,21.61 h0.25 r180; Top Overlay "2" at 8.688,22.396 h0.51; Top Overlay "3" at 7.85,20.237 h0.51; Top Overlay "4" at 11.228,20.186 h0.51
L11: PIN_NUMBER "2" at 49.546,65.771 h0.25; PIN_NUMBER "1" at 51.246,65.771 h0.25
L12: PIN_NUMBER "2" at 38.704,36.332 h0.25 r180; PIN_NUMBER "1" at 34.664,36.332 h0.25 r180
L13: PIN_NUMBER "2" at 19.915,24.391 h0.25 r90; PIN_NUMBER "1" at 19.915,26.761 h0.25 r90
L14: PIN_NUMBER "2" at 45.029,5.903 h0.25 r180; PIN_NUMBER "1" at 42.579,5.903 h0.25 r180
L15: PIN_NUMBER "2" at 7.184,67.298 h0.25; PIN_NUMBER "1" at 4.484,67.298 h0.25
LD1: PIN_NUMBER "1" at -1.462,86.004 h0.25 r270; PIN_NUMBER "2" at -1.462,83.904 h0.25 r270
LD2: PIN_NUMBER "1" at 75.46,55.331 h0.25; PIN_NUMBER "2" at 76.46,55.331 h0.25
LD3: PIN_NUMBER "1" at 75.46,53.782 h0.25; PIN_NUMBER "2" at 76.46,53.782 h0.25
LD4: PIN_NUMBER "1" at 75.46,52.207 h0.25; PIN_NUMBER "2" at 76.46,52.207 h0.25
LD5: PIN_NUMBER "1" at 75.46,50.632 h0.25; PIN_NUMBER "2" at 76.46,50.632 h0.25
LD6: PIN_NUMBER "1" at 75.46,49.058 h0.25; PIN_NUMBER "2" at 76.46,49.058 h0.25
LD7: PIN_NUMBER "1" at 75.46,47.483 h0.25; PIN_NUMBER "2" at 76.46,47.483 h0.25
LD8: PIN_NUMBER "1" at 75.46,45.908 h0.25; PIN_NUMBER "2" at 76.46,45.908 h0.25
LD9: PIN_NUMBER "1" at 75.46,44.359 h0.25; PIN_NUMBER "2" at 76.46,44.359 h0.25
LD10: PIN_NUMBER "1" at 7.536,41.869 h0.25; PIN_NUMBER "2" at 9.637,41.869 h0.25
LD11: PIN_NUMBER "2" at 50.205,39.8 h0.25 r270; PIN_NUMBER "1" at 50.205,41.9 h0.25 r270
LD12: PIN_NUMBER "1" at 8.611,18.71 h0.25; PIN_NUMBER "2" at 10.711,18.71 h0.25
LD13: PIN_NUMBER "2" at 12.544,14.216 h0.25 r180; PIN_NUMBER "1" at 14.644,14.216 h0.25 r180
LD14: PIN_NUMBER "1" at 44.309,0.06 h0.25; PIN_NUMBER "2" at 46.409,0.06 h0.25
LD15: PIN_NUMBER "1" at 49.559,-2.683 h0.25; PIN_NUMBER "2" at 50.559,-2.683 h0.25
LD16: PIN_NUMBER "1" at 37.623,34.732 h0.25; PIN_NUMBER "2" at 39.723,34.732 h0.25
LD17: PIN_NUMBER "1" at 1.059,64.901 h0.25 r270; PIN_NUMBER "2" at 1.059,62.801 h0.25 r270
MOD1: PIN_NUMBER "21" at 63.206,138.764 h0.25 r180; PIN_NUMBER "22" at 62.506,138.764 h0.25 r180; PIN_NUMBER "62" at 64.033,126.714 h0.25 r180; PIN_NUMBER "34" at 54.862,137.554 h0.25 r180; PIN_NUMBER "G1" at 64.687,128.804 h0.25 r180; PIN_NUMBER "G7" at 63.287,128.804 h0.25 r180; PIN_NUMBER "G13" at 61.786,128.804 h0.25 r180; PIN_NUMBER "G2" at 64.687,130.204 h0.25 r180; PIN_NUMBER "G8" at 63.287,130.204 h0.25 r180; PIN_NUMBER "G14" at 61.786,130.204 h0.25 r180; PIN_NUMBER "G3" at 64.687,131.604 h0.25 r180; PIN_NUMBER "G9" at 63.287,131.604 h0.25 r180; PIN_NUMBER "G15" at 61.786,131.604 h0.25 r180; PIN_NUMBER "G33" at 56.886,131.604 h0.25 r180; PIN_NUMBER "G20" at 59.686,130.204 h0.25 r180; PIN_NUMBER "G26" at 58.286,130.204 h0.25 r180; PIN_NUMBER "G32" at 56.886,130.204 h0.25 r180; PIN_NUMBER "G21" at 59.686,131.604 h0.25 r180; PIN_NUMBER "G27" at 58.286,131.604 h0.25 r180; PIN_NUMBER "G19" at 59.686,128.804 h0.25 r180; PIN_NUMBER "G25" at 58.286,128.804 h0.25 r180; PIN_NUMBER "G31" at 56.886,128.804 h0.25 r180; PIN_NUMBER "G30" at 58.286,136.504 h0.25 r180; PIN_NUMBER "G24" at 59.686,136.504 h0.25 r180; PIN_NUMBER "G35" at 56.886,135.104 h0.25 r180; PIN_NUMBER "G29" at 58.286,135.104 h0.25 r180; PIN_NUMBER "G23" at 59.686,135.104 h0.25 r180; PIN_NUMBER "G36" at 56.886,136.504 h0.25 r180; PIN_NUMBER "G34" at 56.886,133.704 h0.25 r180; PIN_NUMBER "G28" at 58.286,133.704 h0.25 r180; PIN_NUMBER "G22" at 59.686,133.704 h0.25 r180; PIN_NUMBER "G12" at 63.186,136.504 h0.25 r180; PIN_NUMBER "G6" at 64.687,136.504 h0.25 r180; PIN_NUMBER "G17" at 61.786,135.104 h0.25 r180; PIN_NUMBER "G11" at 63.186,135.104 h0.25 r180; PIN_NUMBER "G5" at 64.687,135.104 h0.25 r180; PIN_NUMBER "G18" at 61.786,136.504 h0.25 r180; PIN_NUMBER "G16" at 61.786,133.704 h0.25 r180; PIN_NUMBER "G10" at 63.186,133.704 h0.25 r180; PIN_NUMBER "G4" at 64.687,133.704 h0.25 r180; PIN_NUMBER "63" at 64.732,126.714 h0.25 r180; PIN_NUMBER "61" at 63.333,126.714 h0.25 r180; PIN_NUMBER "59" at 61.933,126.714 h0.25 r180; PIN_NUMBER "55" at 59.005,126.714 h0.25 r180; PIN_NUMBER "54" at 58.305,126.714 h0.25 r180; PIN_NUMBER "19" at 64.605,138.764 h0.25 r180; PIN_NUMBER "20" at 63.906,138.764 h0.25 r180; PIN_NUMBER "23" at 61.806,138.764 h0.25 r180; PIN_NUMBER "24" at 61.106,138.764 h0.25 r180; PIN_NUMBER "28" at 58.305,138.764 h0.25 r180; PIN_NUMBER "29" at 57.605,138.764 h0.25 r180; PIN_NUMBER "30" at 56.905,138.764 h0.25 r180; PIN_NUMBER "31" at 56.206,138.764 h0.25 r180; PIN_NUMBER "7" at 66.914,131.254 h0.25 r180; PIN_NUMBER "9" at 66.914,132.654 h0.25 r180; PIN_NUMBER "15" at 66.812,136.854 h0.25 r180; PIN_NUMBER "16" at 66.812,137.554 h0.25 r180; PIN_NUMBER "48" at 54.862,127.754 h0.25 r180; PIN_NUMBER "45" at 54.862,129.854 h0.25 r180; PIN_NUMBER "44" at 54.862,130.554 h0.25 r180; PIN_NUMBER "39" at 54.862,134.054 h0.25 r180; PIN_NUMBER "37" at 54.862,135.454 h0.25 r180; PIN_NUMBER "35" at 54.862,136.854 h0.25 r180; PIN_NUMBER "49" at 54.862,126.629 h0.25 r180; PIN_NUMBER "33" at 54.862,138.679 h0.25 r180; PIN_NUMBER "1" at 66.914,126.629 h0.25 r180; PIN_NUMBER "17" at 66.812,138.679 h0.25 r180; PIN_NUMBER "40" at 54.862,133.354 h0.25 r180; PIN_NUMBER "10" at 66.812,133.354 h0.25 r180; PIN_NUMBER "26" at 59.705,138.764 h0.25 r180; PIN_NUMBER "18" at 65.305,138.764 h0.25 r180; PIN_NUMBER "8" at 66.914,131.954 h0.25 r180; PIN_NUMBER "14" at 66.812,136.154 h0.25 r180; PIN_NUMBER "43" at 54.862,131.254 h0.25 r180; PIN_NUMBER "4" at 66.914,129.154 h0.25 r180; PIN_NUMBER "13" at 66.812,135.454 h0.25 r180; PIN_NUMBER "2" at 66.914,127.754 h0.25 r180; PIN_NUMBER "42" at 54.862,131.954 h0.25 r180; PIN_NUMBER "27" at 59.005,138.764 h0.25 r180; PIN_NUMBER "5" at 66.914,129.854 h0.25 r180; PIN_NUMBER "36" at 54.862,136.154 h0.25 r180; PIN_NUMBER "11" at 66.812,134.054 h0.25 r180; PIN_NUMBER "12" at 66.812,134.754 h0.25 r180; PIN_NUMBER "47" at 54.862,128.454 h0.25 r180; PIN_NUMBER "46" at 54.862,129.154 h0.25 r180; PIN_NUMBER "3" at 66.914,128.454 h0.25 r180; PIN_NUMBER "41" at 54.862,132.654 h0.25 r180; PIN_NUMBER "25" at 60.406,138.764 h0.25 r180; PIN_NUMBER "51" at 56.206,126.714 h0.25 r180; PIN_NUMBER "32" at 55.506,138.764 h0.25 r180; PIN_NUMBER "6" at 66.914,130.554 h0.25 r180; PIN_NUMBER "52" at 56.905,126.714 h0.25 r180; PIN_NUMBER "64" at 65.432,126.714 h0.25 r180; PIN_NUMBER "38" at 54.862,134.754 h0.25 r180; PIN_NUMBER "53" at 57.605,126.714 h0.25 r180; PIN_NUMBER "50" at 55.506,126.714 h0.25 r180; PIN_NUMBER "60" at 62.633,126.714 h0.25 r180; PIN_NUMBER "58" at 61.233,126.714 h0.25 r180; PIN_NUMBER "56" at 59.705,126.714 h0.25 r180; PIN_NUMBER "57" at 60.533,126.714 h0.25 r180; Top Overlay "2" at 68.251,127.628 h0.51; Top Overlay "64" at 65.546,124.91 h0.51; Top Overlay "16" at 68.188,137.306 h0.51; Top Overlay "18" at 65.267,139.871 h0.51; Top Overlay "32" at 56.021,139.922 h0.51; Top Overlay "34" at 53.151,137.534 h0.51; Top Overlay "48" at 53.938,127.48 h0.38 r90; Top Overlay "50" at 55.818,124.885 h0.51
Q1: PIN_NUMBER "4" at 2.168,85.475 h0.25 r90; PIN_NUMBER "7" at 2.168,84.595 h0.25 r90; PIN_NUMBER "3" at 2.168,83.525 h0.25 r90; PIN_NUMBER "1" at 0.868,83.525 h0.25 r90; PIN_NUMBER "5" at 1.518,85.475 h0.25 r90; PIN_NUMBER "6" at 0.868,85.475 h0.25 r90; PIN_NUMBER "2" at 1.518,83.525 h0.25 r90; PIN_NUMBER "8" at 1.193,84.5 h0.25 r90; Top Overlay "6" at 0.064,86.106 h0.51; Top Overlay "4" at 2.476,85.725 h0.51; Top Overlay "3" at 2.73,82.931 h0.51
Q2: PIN_NUMBER "3" at 42.801,34.352 h0.25; PIN_NUMBER "1" at 41.851,32.152 h0.25; PIN_NUMBER "2" at 43.751,32.152 h0.25
Q3: PIN_NUMBER "7" at 54.01,41.121 h0.25 r90; PIN_NUMBER "4" at 54.01,42.001 h0.25 r90; PIN_NUMBER "3" at 54.01,40.051 h0.25 r90; PIN_NUMBER "1" at 52.71,40.051 h0.25 r90; PIN_NUMBER "2" at 53.36,40.051 h0.25 r90; PIN_NUMBER "5" at 53.36,42.001 h0.25 r90; PIN_NUMBER "6" at 52.71,42.001 h0.25 r90; PIN_NUMBER "8" at 53.035,41.026 h0.25 r90; Top Overlay "6" at 52.869,42.487 h0.51 r90; Top Overlay "4" at 54.266,42.487 h0.51 r90; Top Overlay "3" at 54.266,39.185 h0.51 r90
Q4: PIN_NUMBER "7" at 65.386,117.312 h0.25 r180; PIN_NUMBER "4" at 66.266,117.312 h0.25 r180; PIN_NUMBER "8" at 65.291,116.337 h0.25 r180; PIN_NUMBER "6" at 66.266,116.012 h0.25 r180; PIN_NUMBER "5" at 66.266,116.662 h0.25 r180; PIN_NUMBER "2" at 64.316,116.662 h0.25 r180; PIN_NUMBER "1" at 64.316,116.012 h0.25 r180; PIN_NUMBER "3" at 64.316,117.312 h0.25 r180; Bottom Overlay "6" at 67.246,115.57 h0.51; Bottom Overlay "4" at 67.246,116.967 h0.51; Bottom Overlay "3" at 63.944,116.967 h0.51
Q5: PIN_NUMBER "7" at 75.513,99.831 h0.25 r270; PIN_NUMBER "4" at 75.513,100.711 h0.25 r270; PIN_NUMBER "3" at 75.513,98.761 h0.25 r270; PIN_NUMBER "1" at 76.813,98.761 h0.25 r270; PIN_NUMBER "2" at 76.163,98.761 h0.25 r270; PIN_NUMBER "5" at 76.163,100.711 h0.25 r270; PIN_NUMBER "6" at 76.813,100.711 h0.25 r270; PIN_NUMBER "8" at 76.488,99.736 h0.25 r270; Bottom Overlay "6" at 78.168,101.092 h0.51; Bottom Overlay "4" at 74.867,100.711 h0.51; Bottom Overlay "3" at 75.501,97.917 h0.51
Q6: PIN_NUMBER "4" at 77.541,97.072 h0.25 r270; PIN_NUMBER "7" at 77.541,97.953 h0.25 r270; PIN_NUMBER "3" at 77.541,99.023 h0.25 r270; PIN_NUMBER "5" at 78.191,97.072 h0.25 r270; PIN_NUMBER "1" at 78.841,99.023 h0.25 r270; PIN_NUMBER "2" at 78.191,99.023 h0.25 r270; PIN_NUMBER "6" at 78.841,97.072 h0.25 r270; PIN_NUMBER "8" at 78.516,98.048 h0.25 r270; Top Overlay "6" at 79.883,96.456 h0.51 r90; Top Overlay "4" at 77.47,96.456 h0.51 r90; Top Overlay "3" at 76.644,98.298 h0.51
Q7: PIN_NUMBER "7" at 79.756,96.067 h0.25 r90; PIN_NUMBER "4" at 79.756,95.187 h0.25 r90; PIN_NUMBER "6" at 78.456,95.187 h0.25 r90; PIN_NUMBER "1" at 78.456,97.137 h0.25 r90; PIN_NUMBER "2" at 79.106,97.137 h0.25 r90; PIN_NUMBER "5" at 79.106,95.187 h0.25 r90; PIN_NUMBER "8" at 78.781,96.162 h0.25 r90; PIN_NUMBER "3" at 79.756,97.137 h0.25 r90; Bottom Overlay "6" at 78.168,94.361 h0.51; Bottom Overlay "4" at 80.454,94.234 h0.51; Bottom Overlay "3" at 80.962,97.028 h0.51
Q8: PIN_NUMBER "4" at 73.739,76.807 h0.25 r270; PIN_NUMBER "7" at 73.739,75.926 h0.25 r270; PIN_NUMBER "3" at 73.739,74.856 h0.25 r270; PIN_NUMBER "1" at 75.039,74.856 h0.25 r270; PIN_NUMBER "2" at 74.389,74.856 h0.25 r270; PIN_NUMBER "5" at 74.389,76.807 h0.25 r270; PIN_NUMBER "6" at 75.039,76.807 h0.25 r270; PIN_NUMBER "8" at 74.714,75.831 h0.25 r270; DISPLAY_BOTTOM "6" at 75.882,76.708 h0.51; Bottom Overlay "4" at 73.469,76.962 h0.51; Bottom Overlay "3" at 73.724,73.787 h0.51